# Altium PCB controller_V1.0.PcbDoc (part 4 of 8)
Units mm, origin at the board's own origin, x right, y up, seen from the top; angles counter-clockwise.
Board outline 284.13 x 175.13 mm, 4 copper layers (Top Layer, GND, VCC, Bottom Layer); 496 components, 415 nets, 1682 pads, 750 vias.
Unrouted connection lines stored in the file: 5.
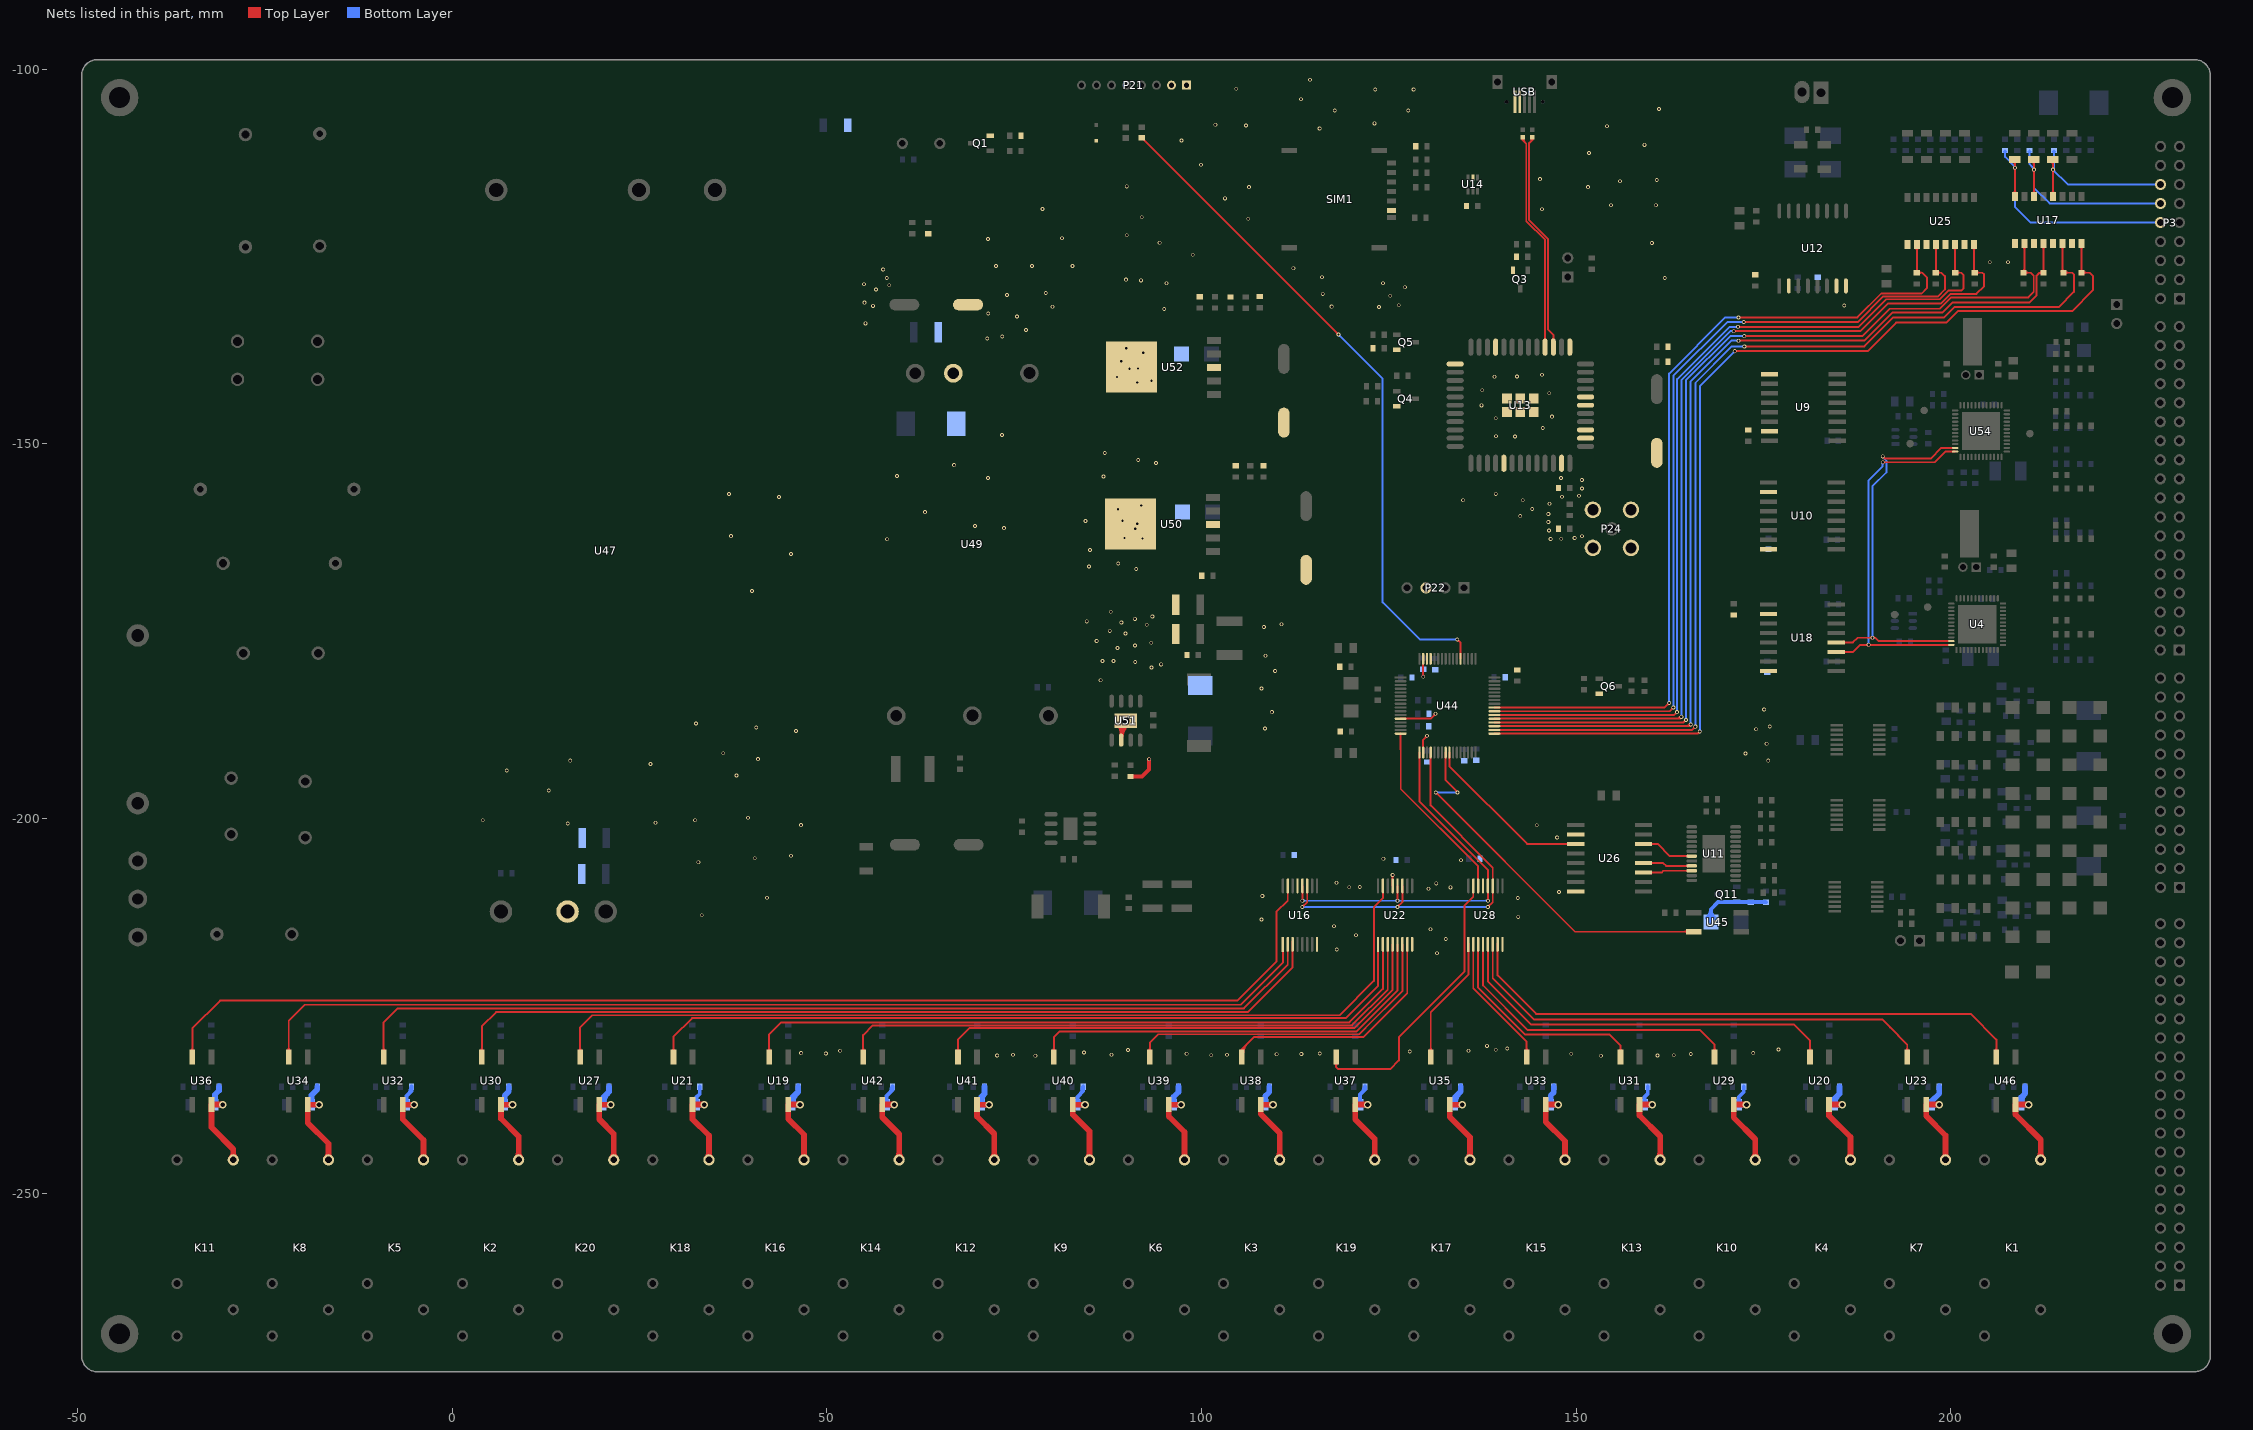
[diagram p6: the nets of this part, all layers, seen from the top]

## Via types
v1: diameter 0.508, hole 0.305, Top Layer to Bottom Layer, tented both sides, 596 vias
v2: diameter 1.016, hole 0.635, Top Layer to Bottom Layer, tented both sides, 65 vias
v3: diameter 0.6, hole 0.3, Top Layer to Bottom Layer, 50 vias
v4: diameter 0.762, hole 0.508, Top Layer to Bottom Layer, tented both sides, 29 vias
v5: diameter 2.032, hole 1.524, Top Layer to Bottom Layer, tented both sides, 4 vias
v6: diameter 3.048, hole 2.032, Top Layer to Bottom Layer, tented both sides, 3 vias
v7: diameter 1.5, hole 1, Top Layer to Bottom Layer, 2 vias
v8: diameter 2.54, hole 1.778, Top Layer to Bottom Layer, tented both sides, 1 vias

## Nets (pads, with @x,y where several pads share a name; then routed paths per layer and width w, separated by ;. In a path a pad name is that pad's centre, name@x,y a point inside that pad or via, vN(x,y) a via of type N, cw(c..) or ccw(c..) an arc to the next point about the centre after c; other vN are vias at no path point) (continued)
DI_5: C78.2 D46.1 P3.14 U17.4 | length 28
  Top Layer w0.254: D46.1@213.415,-112.265 cw(c212.819,-112.862) 213.662,-112.862 ; U17.4@213.469,-116.574 ccw(c213.003,-116.108) 213.662,-116.108 ccw(c214.321,-116.108) U17.4@213.855,-116.574 ; v1@213.572,-113.475 cw(c213.356,-113.692) 213.662,-113.692 cw(c213.969,-113.692) v1@213.752,-113.475 ; v1@213.572,-113.296 ccw(c213.356,-113.079) 213.662,-113.079 ccw(c213.969,-113.079) v1@213.752,-113.296 ; D46.1@213.644,-112.037 213.662,-112.055 v1(213.662,-113.386) U17.4@213.662,-116.967 ; 213.662,-112.772 cw(c214.378,-112.772) D46.1@213.872,-112.265
  Bottom Layer w0.254: v1@213.572,-113.296 ccw(c213.034,-112.757) 213.795,-112.757 ; C78.2@213.638,-110.979 cw(c213.257,-111.36) 213.795,-111.36 cw(c214.334,-111.36) C78.2@213.953,-110.979 ; v1@213.662,-113.513 cw(c213.662,-113.819) 213.879,-113.602 cw(c214.096,-113.386) v1@213.789,-113.386 ; v1(213.662,-113.386) 215.643,-115.367 P3.14@228.016,-115.367 ; v1@213.662,-113.259 213.795,-113.125 ; v1@213.771,-113.32 cw(c213.908,-113.238) 213.795,-113.125 ; C78.2@213.795,-110.822 213.795,-113.125
DI_6: C79.2 D47.1 P3.12 U17.6 | length 32.8
  Top Layer w0.254: D47.1@210.873,-112.265 cw(c210.272,-112.867) 211.122,-112.867 ; U17.6@210.929,-116.574 ccw(c210.463,-116.108) 211.122,-116.108 ccw(c211.781,-116.108) U17.6@211.315,-116.574 ; v1@211.032,-113.475 cw(c210.816,-113.692) 211.122,-113.692 cw(c211.429,-113.692) v1@211.212,-113.475 ; v1@211.032,-113.296 ccw(c210.816,-113.079) 211.122,-113.079 ccw(c211.429,-113.079) v1@211.212,-113.296 ; D47.1@211.101,-112.037 211.122,-112.058 v1(211.122,-113.386) U17.6@211.122,-116.967 ; 211.122,-112.767 cw(c211.831,-112.767) D47.1@211.33,-112.265
  Bottom Layer w0.254: C79.2@210.372,-110.979 cw(c209.991,-111.36) 210.53,-111.36 cw(c211.068,-111.36) C79.2@210.687,-110.979 ; C79.2@210.53,-110.822 210.53,-112.666 v1@211.122,-113.259 ; 210.816,-112.952 cw(c210.382,-113.386) v1@210.995,-113.386 ; v1@211.032,-113.475 cw(c210.816,-113.692) 211.122,-113.692 cw(c211.429,-113.692) v1@211.212,-113.475 ; v1(211.122,-113.386) 211.122,-115.821 213.208,-117.907 P3.12@228.016,-117.907
DI_7: C80.2 D48.1 P3.10 U17.8 | length 37.7
  Top Layer w0.254: D48.1@208.331,-112.265 cw(c207.725,-112.872) 208.582,-112.872 ; U17.8@208.389,-116.574 ccw(c207.923,-116.108) 208.582,-116.108 ccw(c209.241,-116.108) U17.8@208.775,-116.574 ; v1@208.492,-113.221 cw(c208.276,-113.438) 208.582,-113.438 cw(c208.889,-113.438) v1@208.672,-113.221 ; v1@208.492,-113.042 ccw(c208.276,-112.825) 208.582,-112.825 ccw(c208.889,-112.825) v1@208.672,-113.042 ; D48.1@208.559,-112.037 208.582,-112.06 v1(208.582,-113.132) U17.8@208.582,-116.967 ; 208.582,-112.762 cw(c209.284,-112.762) D48.1@208.788,-112.265
  Bottom Layer w0.254: C80.2@207.106,-110.979 cw(c206.726,-111.36) 207.264,-111.36 cw(c207.802,-111.36) C80.2@207.422,-110.979 ; C80.2@207.264,-110.822 207.264,-111.686 v1@208.582,-113.005 ; v1@208.492,-113.221 cw(c208.276,-113.438) 208.582,-113.438 cw(c208.889,-113.438) v1@208.672,-113.221 ; v1(208.582,-113.132) 208.582,-118.361 210.668,-120.447 P3.10@228.016,-120.447
DI_IN0: R82.2 U25.16 U44.37 | length 128.8
  Top Layer w0.254: U44.37@139.091,-186.678 163.816,-186.678 v1(164.059,-186.436) ; 163.167,-186.678 ccw(c163.167,-185.545) v1@163.969,-186.346 ; 163.78,-186.678 ccw(c163.78,-186.158) v1@164.148,-186.526 ; v1(171.044,-134.95) 187.96,-134.95 191.668,-131.242 198.724,-131.242 199.994,-129.972 203.429,-129.972 204.47,-128.93 204.47,-127.381 204.24,-127.151 R82.2@203.197,-127.151 ; v1@171.133,-135.04 cw(c171.35,-135.257) 171.35,-134.95 cw(c171.35,-134.644) v1@171.133,-134.86 ; U25.16@202.928,-123.787 cw(c202.462,-124.253) 203.121,-124.253 cw(c203.78,-124.253) U25.16@203.314,-123.787 ; R82.2@202.965,-126.993 ccw(c202.587,-126.616) 203.121,-126.616 ; R82.2@203.121,-127.075 U25.16@203.121,-123.394 ; 203.121,-126.61 ccw(c203.664,-126.61) R82.2@203.28,-126.993 ; R82.2@203.43,-127.309 cw(c203.811,-127.689) 203.811,-127.151 cw(c203.811,-126.613) R82.2@203.43,-126.993
  Bottom Layer w0.254: v1@163.969,-186.346 ccw(c163.752,-186.129) 164.059,-186.129 ccw(c164.365,-186.129) v1@164.148,-186.346 ; v1(164.059,-186.436) 164.059,-183.286 164.059,-141.503 165.176,-140.386 ; 164.389,-141.173 165.176,-140.386 ; v1@170.954,-135.04 ccw(c170.737,-135.257) 170.737,-134.95 ccw(c170.737,-134.644) v1@170.954,-134.86 ; v1(171.044,-134.95) 170.612,-134.95 165.176,-140.386
DI_IN1: R87.2 U25.14 U44.38 | length 124.3
  Top Layer w0.254: U44.38@139.091,-186.178 163.097,-186.178 ; v1@163.322,-185.953 163.097,-186.178 ; v1(163.474,-185.801) 163.097,-186.178 ; v1(171.628,-134.366) 187.731,-134.366 191.414,-130.683 198.552,-130.683 199.695,-129.54 201.397,-129.54 201.727,-129.21 201.727,-127.457 201.421,-127.151 R87.2@200.607,-127.151 ; v1@171.718,-134.456 cw(c171.934,-134.673) 171.934,-134.366 cw(c171.934,-134.059) v1@171.718,-134.276 ; U25.14@200.388,-123.787 cw(c199.922,-124.253) 200.581,-124.253 cw(c201.24,-124.253) U25.14@200.774,-123.787 ; R87.2@200.449,-126.993 ccw(c200.13,-126.674) 200.581,-126.674 ; R87.2@200.581,-127.126 U25.14@200.581,-123.394 ; 200.581,-126.551 ccw(c201.206,-126.551) R87.2@200.764,-126.993 ; R87.2@200.839,-127.309 cw(c201.22,-127.689) 201.22,-127.151 cw(c201.22,-126.613) R87.2@200.839,-126.993 ; 163.258,-186.018 ccw(c163.041,-185.801) 163.347,-185.801 cw(c163.041,-185.801) 163.258,-186.018 ; 163.258,-186.018 cw(c163.474,-186.235) 163.474,-185.928 ccw(c163.474,-186.235) 163.258,-186.018
  Bottom Layer w0.254: v1@163.385,-185.711 ccw(c163.106,-185.433) 163.5,-185.433 ; v1(163.474,-185.801) 163.5,-185.776 163.5,-183.058 163.5,-141.351 170.485,-134.366 v1(171.628,-134.366) ; v1@171.538,-134.456 ccw(c171.321,-134.673) 171.321,-134.366 ccw(c171.321,-134.059) v1@171.538,-134.276
DI_IN2: R93.2 U25.12 U44.39 | length 121
  Top Layer w0.254: U44.39@139.091,-185.678 162.505,-185.678 v1(162.992,-185.191) ; v1@162.865,-185.191 cw(c162.558,-185.191) 162.775,-185.408 cw(c162.992,-185.625) v1@162.992,-185.318 ; v1(172.39,-133.731) 187.604,-133.731 191.033,-130.302 198.323,-130.302 199.238,-129.388 199.238,-127.61 198.779,-127.151 R93.2@198.016,-127.151 ; v1@172.48,-133.821 cw(c172.696,-134.038) 172.696,-133.731 cw(c172.696,-133.424) v1@172.48,-133.641 ; U25.12@197.848,-123.787 cw(c197.382,-124.253) 198.041,-124.253 cw(c198.7,-124.253) U25.12@198.234,-123.787 ; R93.2@197.858,-126.993 ccw(c197.416,-126.551) 198.041,-126.551 ; R93.2@198.041,-127.126 U25.12@198.041,-123.394 ; 198.041,-126.674 ccw(c198.493,-126.674) R93.2@198.173,-126.993 ; R93.2@198.248,-127.309 cw(c198.629,-127.689) 198.629,-127.151 cw(c198.629,-126.613) R93.2@198.248,-126.993
  Bottom Layer w0.254: v1@162.902,-185.102 ccw(c162.685,-184.885) 162.992,-184.885 ccw(c163.298,-184.885) v1@163.082,-185.102 ; v1(162.992,-185.191) 162.992,-140.919 170.18,-133.731 v1(172.39,-133.731) ; v1@172.3,-133.821 ccw(c172.083,-134.038) 172.083,-133.731 ccw(c172.083,-133.424) v1@172.3,-133.641
DI_IN3: R97.2 U25.10 U44.40 | length 118.1
  Top Layer w0.254: U44.40@139.091,-185.178 161.837,-185.178 v1(162.433,-184.582) ; v1@162.306,-184.582 cw(c161.999,-184.582) 162.216,-184.799 cw(c162.433,-185.015) v1@162.433,-184.709 ; v1(171.679,-133.121) 187.554,-133.121 190.754,-129.921 196.113,-129.921 196.825,-129.21 196.825,-127.762 196.214,-127.151 R97.2@195.501,-127.151 U25.10@195.501,-123.394 ; v1@171.768,-133.211 cw(c171.985,-133.428) 171.985,-133.121 cw(c171.985,-132.815) v1@171.768,-133.032 ; U25.10@195.308,-123.787 cw(c194.842,-124.253) 195.501,-124.253 cw(c196.16,-124.253) U25.10@195.694,-123.787 ; R97.2@195.344,-126.993 ccw(c194.963,-126.613) 195.501,-126.613 ccw(c196.04,-126.613) R97.2@195.659,-126.993 ; R97.2@195.734,-127.309 cw(c196.115,-127.689) 196.115,-127.151 cw(c196.115,-126.613) R97.2@195.734,-126.993
  Bottom Layer w0.254: v1@162.343,-184.492 ccw(c162.126,-184.275) 162.433,-184.275 ccw(c162.74,-184.275) v1@162.523,-184.492 ; v1@162.408,-184.607 v1(162.433,-184.582) 162.433,-183.261 162.433,-140.614 169.926,-133.121 v1(171.679,-133.121) ; v1@171.589,-133.211 ccw(c171.372,-133.428) 171.372,-133.121 ccw(c171.372,-132.815) v1@171.589,-133.032
DI_IN4: R109.2 U17.16 U44.33 | length 144.4
  Top Layer w0.254: U44.33@139.091,-188.678 165.252,-188.678 ; 166.098,-188.678 165.252,-188.678 ; v1@166.395,-188.392 cw(c166.089,-188.392) 166.306,-188.609 cw(c166.522,-188.825) v1@166.522,-188.519 ; v1(166.522,-188.392) 166.236,-188.678 165.252,-188.678 ; v1(171.197,-137.616) 188.926,-137.616 192.735,-133.807 199.441,-133.807 200.965,-132.283 216.205,-132.283 218.999,-129.489 218.999,-127.559 218.591,-127.151 R109.2@217.472,-127.151 U17.16@217.472,-123.267 ; v1@171.287,-137.706 cw(c171.503,-137.923) 171.503,-137.616 cw(c171.503,-137.31) v1@171.287,-137.527 ; U17.16@217.279,-123.66 cw(c216.813,-124.126) 217.472,-124.126 cw(c218.131,-124.126) U17.16@217.665,-123.66 ; R109.2@217.315,-126.993 ccw(c216.934,-126.613) 217.472,-126.613 ccw(c218.011,-126.613) R109.2@217.63,-126.993 ; R109.2@217.705,-127.309 cw(c218.086,-127.689) 218.086,-127.151 cw(c218.086,-126.613) R109.2@217.705,-126.993
  Bottom Layer w0.254: v1@166.433,-188.302 ccw(c166.216,-188.085) 166.522,-188.085 ccw(c166.829,-188.085) v1@166.612,-188.302 ; v1(166.522,-188.392) 166.522,-142.291 v1(171.197,-137.616) ; v1@171.07,-137.616 cw(c170.763,-137.616) 170.98,-137.833 cw(c171.197,-138.05) v1@171.197,-137.743
DI_IN5: R114.2 U17.14 U44.34 | length 141.5
  Top Layer w0.254: U44.34@139.091,-188.178 165.491,-188.178 ; 165.735,-187.935 165.491,-188.178 ; v1(165.929,-187.74) 165.491,-188.178 ; v1(172.466,-136.982) 188.493,-136.982 192.354,-133.121 199.136,-133.121 200.508,-131.75 214.427,-131.75 216.459,-129.718 216.459,-127.381 216.229,-127.151 R114.2@215.059,-127.151 ; v1@172.556,-137.072 cw(c172.773,-137.289) 172.773,-136.982 cw(c172.773,-136.676) v1@172.556,-136.892 ; U17.14@214.739,-123.66 cw(c214.273,-124.126) 214.932,-124.126 cw(c215.591,-124.126) U17.14@215.125,-123.66 ; R114.2@214.827,-126.993 ccw(c214.571,-126.738) 214.932,-126.738 ; R114.2@214.932,-127.024 U17.14@214.932,-123.267 ; 214.932,-126.487 ccw(c215.648,-126.487) R114.2@215.142,-126.993 ; R114.2@215.292,-127.309 cw(c215.673,-127.689) 215.673,-127.151 cw(c215.673,-126.613) R114.2@215.292,-126.993 ; 165.713,-187.957 ccw(c165.496,-187.74) 165.802,-187.74 cw(c165.496,-187.74) 165.713,-187.957 ; 165.713,-187.957 cw(c165.929,-188.174) 165.929,-187.867 ccw(c165.929,-188.174) 165.713,-187.957
  Bottom Layer w0.254: v1@165.84,-187.65 ccw(c165.623,-187.434) 165.929,-187.434 ccw(c166.236,-187.434) v1@166.019,-187.65 ; v1(165.929,-187.74) 165.929,-141.868 170.815,-136.982 v1(172.466,-136.982) ; v1@172.376,-137.072 ccw(c172.159,-137.289) 172.159,-136.982 ccw(c172.159,-136.676) v1@172.376,-136.892
DI_IN6: R116.2 U17.12 U44.35 | length 136.5
  Top Layer w0.254: U44.35@139.091,-187.678 165.077,-187.678 v1(165.303,-187.452) ; 164.451,-187.678 ccw(c164.451,-186.599) v1@165.213,-187.362 ; 165.064,-187.678 ccw(c165.064,-187.213) v1@165.393,-187.542 ; v1(171.679,-136.22) 188.468,-136.22 192.253,-132.436 198.933,-132.436 200.228,-131.14 210.49,-131.14 211.48,-130.15 211.48,-127.533 211.863,-127.151 ; v1@171.768,-136.31 cw(c171.985,-136.527) 171.985,-136.22 cw(c171.985,-135.914) v1@171.768,-136.13 ; 211.644,-127.37 cw(c212.253,-127.98) R116.2@212.32,-127.12 ; R116.2@212.141,-127.287 ccw(c211.863,-127.502) 211.863,-127.151 ; R116.2@212.141,-127.015 cw(c211.863,-126.8) 211.863,-127.151 ; U17.12@212.199,-123.66 cw(c211.733,-124.126) 212.392,-124.126 cw(c213.051,-124.126) U17.12@212.585,-123.66 ; R116.2@212.235,-126.993 ccw(c211.854,-126.613) 212.392,-126.613 ccw(c212.931,-126.613) R116.2@212.55,-126.993 ; U17.12@212.392,-123.267 R116.2@212.392,-127.151 211.863,-127.151
  Bottom Layer w0.254: v1@165.213,-187.362 ccw(c164.997,-187.145) 165.303,-187.145 ccw(c165.61,-187.145) v1@165.393,-187.362 ; v1(165.303,-187.452) 165.303,-141.656 170.739,-136.22 v1(171.679,-136.22) ; v1@171.589,-136.31 ccw(c171.372,-136.527) 171.372,-136.22 ccw(c171.372,-135.914) v1@171.589,-136.13
DI_IN7: R118.2 U17.10 U44.36 | length 134.5
  Top Layer w0.254: U44.36@139.091,-187.178 164.332,-187.178 v1(164.668,-186.842) ; v1@164.541,-186.842 cw(c164.235,-186.842) 164.451,-187.059 cw(c164.668,-187.276) v1@164.668,-186.969 ; v1(172.441,-135.611) 188.189,-135.611 191.846,-131.953 198.552,-131.953 200.076,-130.429 210.388,-130.429 211.099,-129.718 211.099,-127.533 210.717,-127.151 R118.2@209.725,-127.151 ; v1@172.53,-135.7 cw(c172.747,-135.917) 172.747,-135.611 cw(c172.747,-135.304) v1@172.53,-135.521 ; R118.2@209.643,-126.993 ccw(c209.136,-126.487) 209.852,-126.487 ; U17.10@209.659,-123.66 cw(c209.193,-124.126) 209.852,-124.126 cw(c210.511,-124.126) U17.10@210.045,-123.66 ; R118.2@209.852,-127.024 U17.10@209.852,-123.267 ; 209.852,-126.738 ccw(c210.213,-126.738) 209.958,-126.993 ccw(c210.339,-126.613) 210.339,-127.151 ccw(c210.339,-127.689) R118.2@209.958,-127.309
  Bottom Layer w0.254: v1@164.578,-186.753 ccw(c164.362,-186.536) 164.668,-186.536 ccw(c164.975,-186.536) v1@164.758,-186.753 ; v1(164.668,-186.842) 164.668,-141.529 170.586,-135.611 v1(172.441,-135.611) ; v1@172.351,-135.7 ccw(c172.134,-135.917) 172.134,-135.611 ccw(c172.134,-135.304) v1@172.351,-135.521
DI_IN8: U44.61
DI_IN9: U44.62
DIN: U4.23 U18.12 U54.23 | length 54.7
  Top Layer w0.254: U18.12@184.732,-176.505 186.944,-176.505 187.579,-175.87 v1(189.56,-175.87) 189.96,-175.87 190.398,-176.308 198.315,-176.308 ; U18.12@185.716,-176.612 cw(c185.976,-176.873) 185.976,-176.505 cw(c185.976,-176.137) U18.12@185.716,-176.397 ; v1@189.47,-175.959 ccw(c189.254,-176.176) 189.254,-175.87 ccw(c189.254,-175.563) v1@189.47,-175.78 ; v1@189.65,-175.959 cw(c189.867,-176.176) 189.867,-175.87 cw(c189.867,-175.563) v1@189.65,-175.78 ; v1@190.932,-151.79 cw(c190.932,-152.097) 191.149,-151.88 cw(c191.365,-151.663) v1@191.059,-151.663 ; v1(190.932,-151.663) 191.237,-151.968 194.208,-151.968 ; 193.726,-151.968 194.208,-151.968 ; 198.323,-176.316 U4.23@200.095,-176.316 ; U54.23@200.603,-150.535 198.766,-150.535 197.333,-151.968 194.208,-151.968
  Bottom Layer w0.254: v1@189.47,-175.78 ccw(c189.254,-175.563) 189.56,-175.563 ccw(c189.867,-175.563) v1@189.65,-175.78 ; v1(189.56,-175.87) 189.56,-155.677 191.44,-153.797 191.44,-152.24 190.932,-151.732 v1(190.932,-151.663) ; v1@191.059,-151.663 ccw(c191.532,-151.663) 191.197,-151.998
DIN_AO: U11.9 U26.12 | length 7.6
  Top Layer w0.254: U26.12@159.001,-205.943 161.646,-205.943 162.026,-206.324 U11.9@165.449,-206.324 ; U26.12@159.985,-206.051 cw(c160.246,-206.311) 160.246,-205.943 cw(c160.246,-205.575) U26.12@159.985,-205.835 ; U11.9@164.88,-206.393 ccw(c164.712,-206.56) 164.712,-206.324 ccw(c164.712,-206.087) U11.9@164.88,-206.254
DM: R10.2 U13.3 | length 31.7
  Top Layer w0.254: 143.916,-109.677 ccw(c143.614,-109.374) R10.2@143.992,-109.174 ; R10.2@144.038,-109.229 cw(c143.866,-109.449) 144.145,-109.449 ; R10.2@144.145,-109.093 144.145,-109.449 ; 144.16,-109.434 ccw(c143.932,-109.206) R10.2@144.217,-109.055 ; R10.2@144.252,-109.229 ccw(c144.424,-109.449) 144.145,-109.449 ; U13.3@146.828,-136.116 ccw(c146.49,-135.778) 146.968,-135.778 ccw(c147.446,-135.778) U13.3@147.108,-136.116 ; U13.3@146.968,-137.081 146.968,-135.433 146.279,-134.744 146.279,-122.651 143.739,-120.111 143.739,-109.855 144.145,-109.449
DO_0: C90.1 D49.1 K1.5 U46.4 | length 16.8
  Top Layer w0.762: v2@210.298,-238.176 U46.4@208.649,-238.176 208.649,-239.51 212.019,-242.88 K1.5@212.019,-245.567 ; K1.5@211.758,-245.306 ccw(c211.128,-244.676) 212.019,-244.676 ccw(c212.91,-244.676) K1.5@212.28,-245.306
  Bottom Layer w0.762: D49.1@209.452,-237.899 cw(c211.048,-237.845) 209.919,-236.715 ; C90.1@209.919,-235.788 209.919,-236.715 ; v2(210.404,-238.201) D49.1@209.383,-238.201 209.383,-237.251 209.919,-236.715
DO_1: C88.1 D51.1 K4.5 U20.4 | length 16.4
  Top Layer w0.762: v2@185.428,-238.176 U20.4@183.779,-238.176 183.779,-239.684 186.623,-242.529 K4.5@186.623,-245.567 ; K4.5@186.362,-245.306 ccw(c185.732,-244.676) 186.623,-244.676 ccw(c187.514,-244.676) K4.5@186.884,-245.306
  Bottom Layer w0.762: D51.1@184.568,-237.901 cw(c185.897,-237.901) 184.957,-236.962 ; C88.1@185.162,-235.788 185.162,-236.757 184.499,-237.42 D51.1@184.499,-238.201 v2(185.521,-238.201)
DO_2: C91.1 D53.1 K7.5 U23.4 | length 15.4
  Top Layer w0.762: v2@198.395,-238.176 U23.4@196.745,-238.176 196.745,-239.722 199.321,-242.298 K7.5@199.321,-245.567 ; K7.5@199.06,-245.306 ccw(c198.43,-244.676) 199.321,-244.676 ccw(c200.212,-244.676) K7.5@199.582,-245.306
  Bottom Layer w0.762: v2(198.474,-238.201) D53.1@197.453,-238.201 197.453,-237.751 198.497,-236.707 C91.1@198.497,-235.788
DO_3: C93.1 D55.1 K10.5 U29.4 | length 16.1
  Top Layer w0.762: v2@172.681,-238.176 U29.4@171.031,-238.176 171.031,-239.916 173.926,-242.81 K10.5@173.926,-245.567 ; K10.5@173.665,-245.306 ccw(c173.035,-244.676) 173.926,-244.676 ccw(c174.816,-244.676) K10.5@174.187,-245.306
  Bottom Layer w0.508: D55.1@171.587,-237.763 ccw(c171.252,-237.428) 171.725,-237.428 ccw(c172.198,-237.428) D55.1@171.864,-237.763 ; D55.1@171.725,-238.201 171.725,-237.189 172.388,-236.526 C93.1@172.388,-235.788
  Bottom Layer w0.762: D55.1@171.725,-238.201 v2(172.746,-238.201)
DO_4: C95.1 D57.1 K13.5 U31.4 | length 15.9
  Top Layer w0.762: v2@160.119,-238.176 U31.4@158.47,-238.176 158.47,-239.648 161.228,-242.406 K13.5@161.228,-245.567 ; K13.5@160.967,-245.306 ccw(c160.337,-244.676) 161.228,-244.676 ccw(c162.119,-244.676) K13.5@161.489,-245.306
  Bottom Layer w0.508: D57.1@159.012,-237.763 ccw(c158.677,-237.428) 159.15,-237.428 ccw(c159.623,-237.428) D57.1@159.289,-237.763 ; D57.1@159.15,-238.201 159.15,-237.166 159.559,-236.757 C95.1@159.559,-235.788
  Bottom Layer w0.762: D57.1@159.15,-238.201 v2(160.171,-238.201)
DO_5: C98.1 D59.1 K15.5 U33.4 | length 15.1
  Top Layer w0.762: v2@147.59,-238.176 U33.4@145.941,-238.176 145.941,-240.479 148.53,-243.069 K15.5@148.53,-245.567 ; K15.5@148.269,-245.306 ccw(c147.639,-244.676) 148.53,-244.676 ccw(c149.421,-244.676) K15.5@148.791,-245.306